# Altium PCB Calipso V2.0 REV2.0 (new origin).PcbDoc (part 3 of 5) (continued)
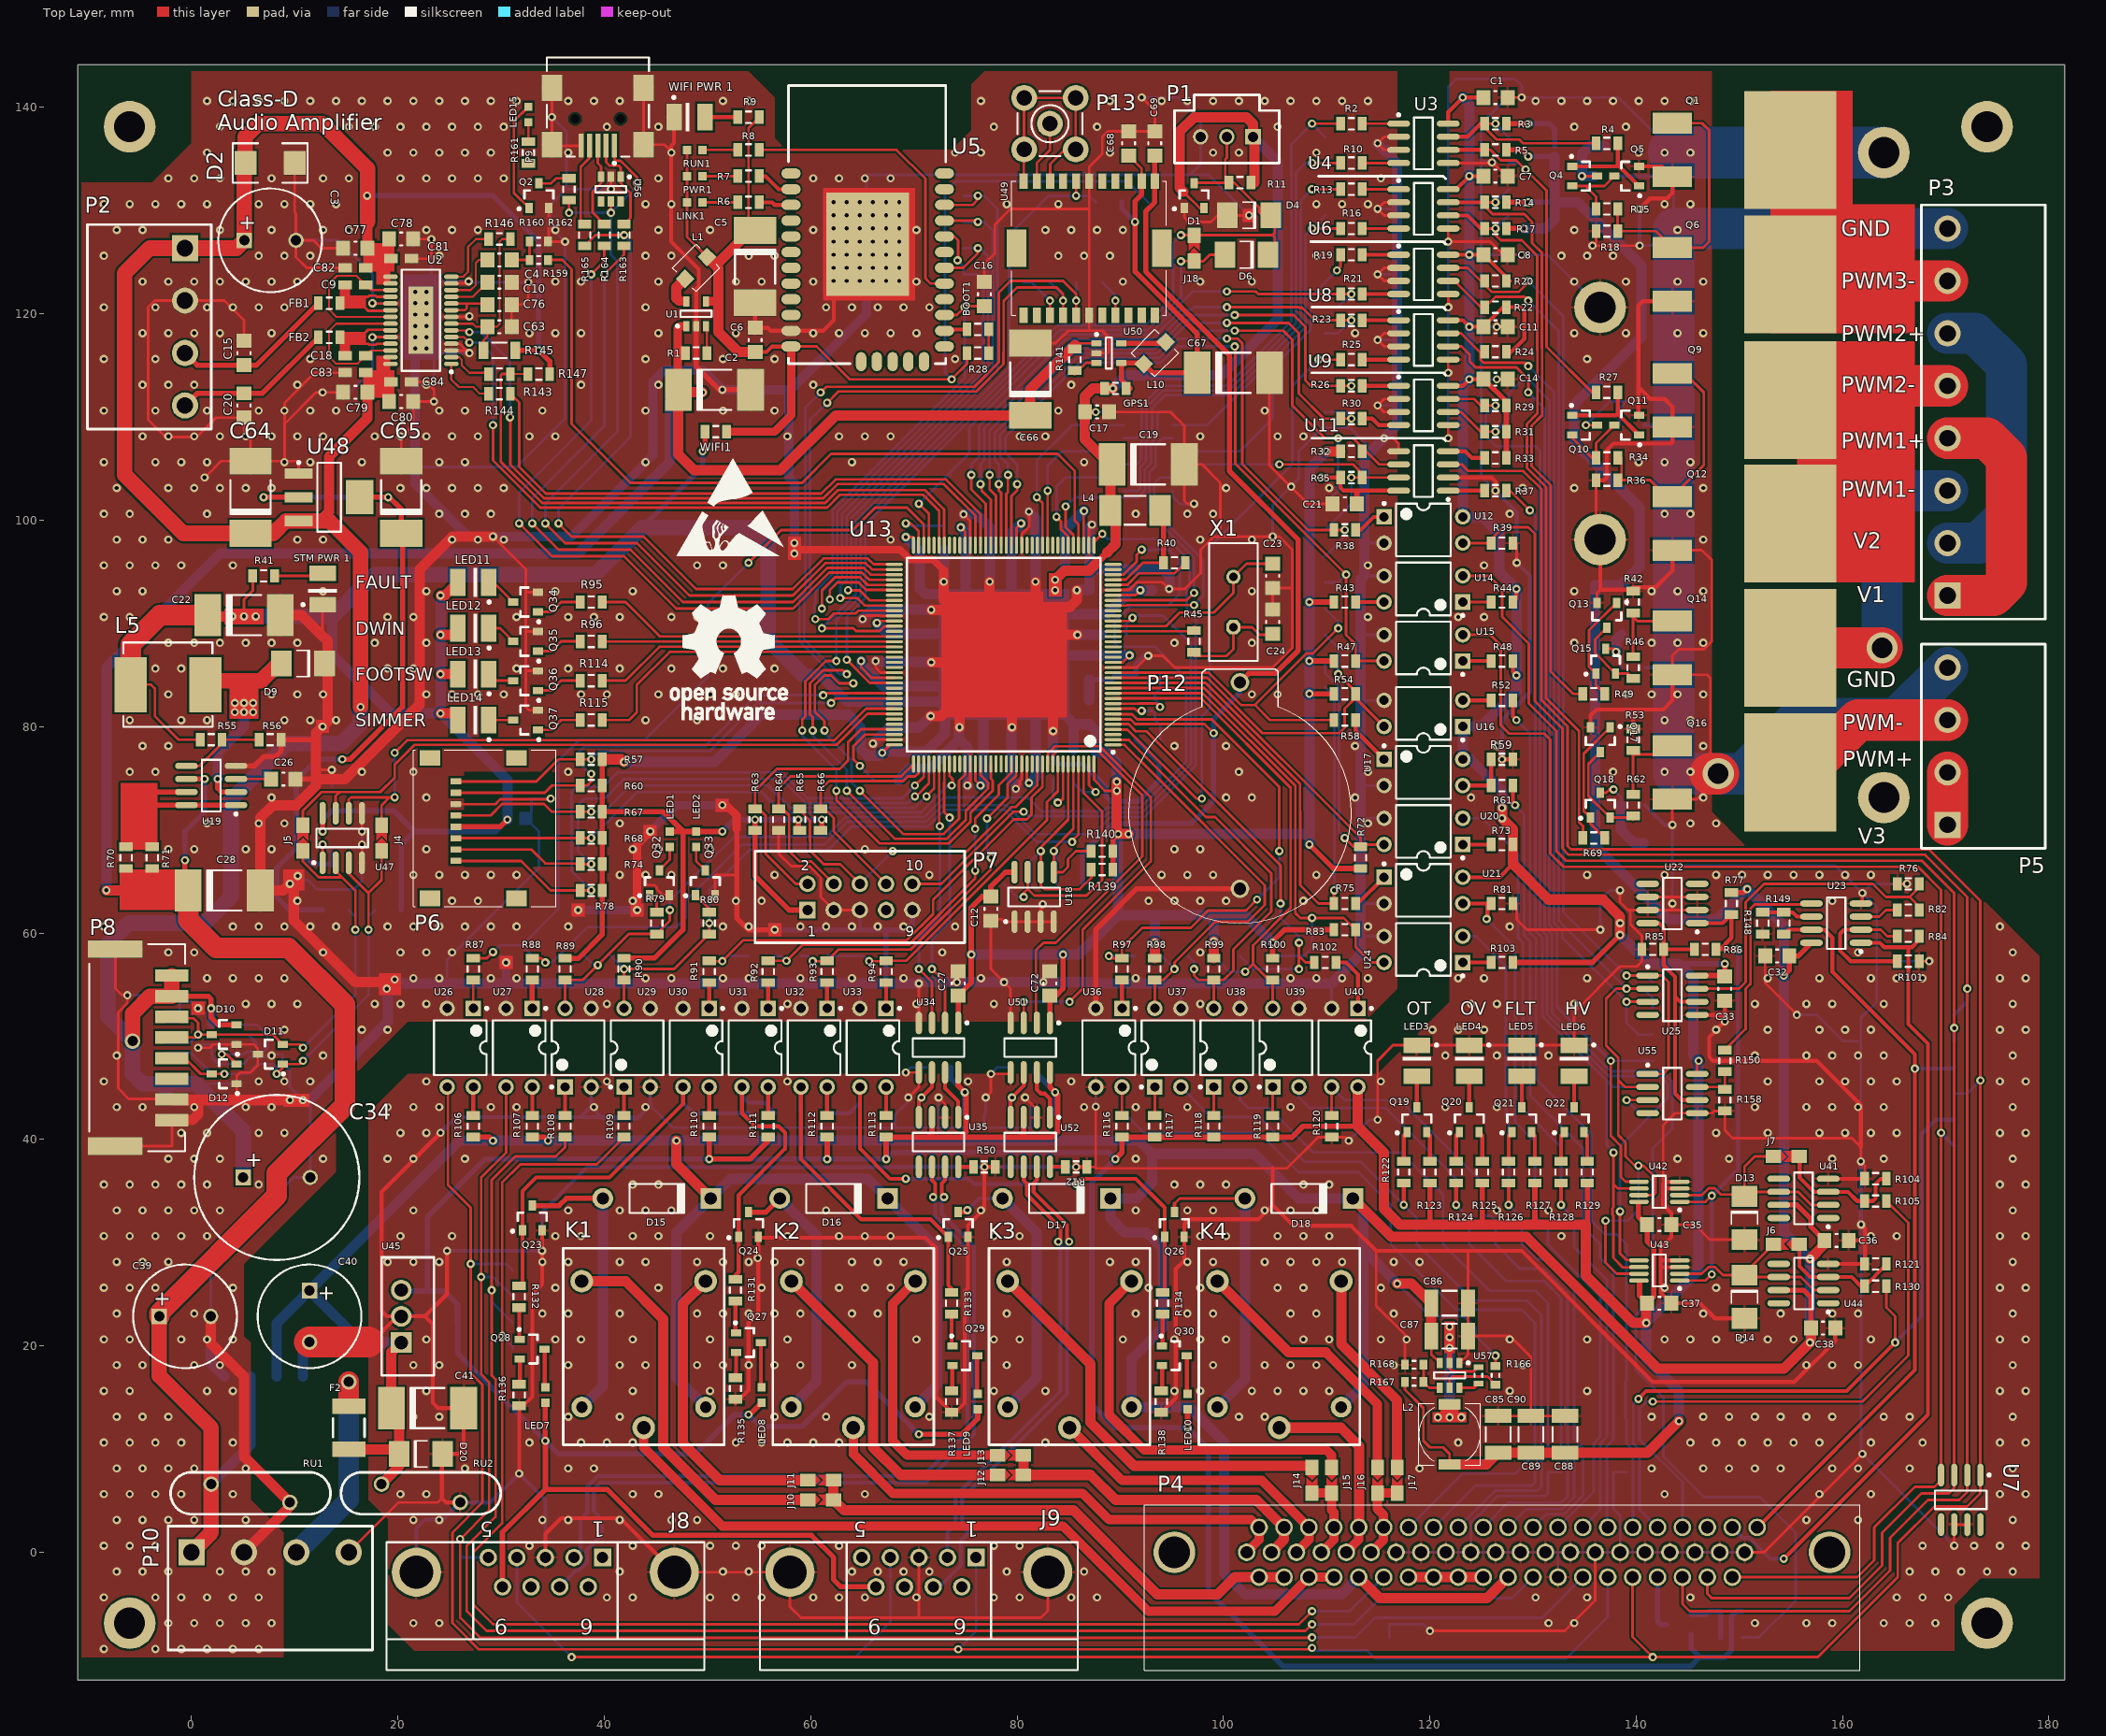
[diagram p0: Top Layer view]
## Nets (pads, with @x,y where several pads share a name; then routed paths per layer and width w, separated by ;. In a path a pad name is that pad's centre, name@x,y a point inside that pad or via, vN(x,y) a via of type N, cw(c..) or ccw(c..) an arc to the next point about the centre after c; other vN are vias at no path point) (continued)
  Top Layer w3: C40.2@11.43,20.36 17.145,20.36
  Top Layer w4: v4@147.193,75.438 v4(147.955,75.438)
  Bottom Layer w0.254: 44.451,43.307 46.61,41.148 68.2,41.148 ; v1(69.215,46.482) 69.723,46.99 C29.1@71.215,46.99 ; v1(69.47,44.069) 69.47,43.72 68.168,42.418 68.168,41.18 68.2,41.148 ; v1(72.391,44.069) 72.391,41.148 ; v1(76.962,44.069) 76.962,42.577 76.835,42.45 76.835,41.148 ; v1(77.47,46.355) 78.105,46.99 C73.1@79.47,46.99 ; v1(80.772,44.069) 81.375,43.466 C75.1@81.375,42.545 81.375,41.148 76.835,41.148 ; v1(87.63,43.18) U36.3@87.63,45.085 ; v1(112.141,39.878) 114.173,41.91 v1(114.935,41.91) ; U54.7@116.065,-8.255 U54.6@116.065,-6.985 119.38,-6.985 v1(120.015,-7.62) ; P4.28@116.728,0 P4.29@119.141,0 P4.30@121.554,0 P4.31@123.967,0 ; v1(121.793,107.95) 121.78,107.963 v1(121.78,127) 121.78,141.973 122.555,142.748 128.27,142.748 128.905,142.113 v1(128.905,140.97) ; v1(126.024,134.675) 126.024,134.741 126.017,134.747 124.968,134.747 ; v1(126.365,102.87) 124.968,104.267 124.968,113.665 ; v1(126.492,113.665) 124.968,113.665 ; v1(126.492,118.745) 124.968,118.745 ; P4.55@132.416,-2.413 132.416,-0.045 132.461,0 ; U53.6@132.715,7.76 U53.7@131.445,7.76 131.445,5.715 131.191,5.461 126.619,5.461 124.745,3.587 124.689,3.587 124,2.898 124,0.033 P4.31@123.967,0 ; pad.H@136.5,120.63 131.4,125.73 v1(128.905,125.73) 124.968,125.73 ; v1(136.525,60.325) 136.525,63.246 137.414,64.135 v1(138.43,64.135) ; U10.6@139.065,7.76 U10.7@137.795,7.76 137.795,4.191 138.445,3.541 P4.37@138.445,0 ; v1(140.335,126.619) 141.478,126.619 143.129,128.27 ; v1(143.51,62.865) 143.51,66.548 ; v1(143.51,70.485) 143.51,66.548 ; 143.637,128.778 143.637,133.35 143.637,135.636 138.303,140.97 v1(128.905,140.97) ; P4.42@150.51,0 P4.41@148.097,0 P4.40@145.684,0 P4.39@143.271,0 P4.38@140.858,0 P4.37@138.445,0 ; v1(155.575,52.07) 157.48,52.07 160.02,49.53 161.77,49.53 ; v1(166.243,64.77) 162.814,64.77 v1(161.925,63.881) ; v1(168.402,57.277) 163.322,57.277 ; v1(170.815,0.635) v1(161.925,9.525) 161.798,9.652 v1(161.798,31.75) 161.798,40.005 161.77,40.033 161.77,49.53 ; 68.2,41.148 72.391,41.148 ; 72.391,41.148 76.835,41.148 ; P4.31@123.967,0 P4.32@126.38,0 P4.33@128.793,0 P4.34@131.206,0 132.461,0 ; 124.968,113.665 124.968,118.745 ; 124.968,118.745 124.968,125.73 ; 124.968,125.73 124.968,134.747 ; 124.968,134.747 124.968,138.43 127.508,140.97 v1(128.905,140.97) ; 132.461,0 P4.35@133.619,0 P4.36@136.032,0 P4.37@138.445,0 ; 143.51,66.548 159.258,66.548 v1(161.925,63.881) ; 161.77,49.53 161.77,51.788 163.322,53.34 163.322,57.277 ; v1(161.925,63.881) 163.322,62.484 163.322,57.277
  Bottom Layer w0.384: U45.2@20.32,22.86 20.415,22.955 C62.1@22.86,22.955 ; J8.11@21.795,-1.93 21.795,2.364 22.606,3.175 24.384,3.175 RU2.1@26.035,4.826 28.956,4.826 v1(31.75,7.62) 34.29,5.08 J8.3@34.29,-0.51 ; v1(24.13,40.64) 25.654,42.164 43.432,42.164 ; v1(24.765,29.21) v1(33.97,29.21) 33.97,32.954 38.324,37.308 67.638,37.308 ; 37.718,42.164 v1@38.735,43.181 ; U28.2@38.735,45.085 v1@38.735,43.181 ; U29.2@44.451,45.085 44.451,43.307 43.181,42.037 39.879,42.037 v1@38.735,43.181 ; 61.924,37.308 61.954,37.338 ; 67.668,37.338 v1(76.835,37.338) v1(85.725,37.338) ; v1(126.365,102.87) 128.425,100.81 v1(128.425,95.885) 129.711,94.599 129.711,83.356 127,80.645 v1(127,76.835) ; C42.1@138.335,133.35 143.637,133.35 ; v1(140.335,126.619) v1(140.335,130.175) ; C43.1@140.748,109.22 143.51,109.22 143.637,109.093 ; C53.1@140.875,72.39 142.78,70.485 v1(143.51,70.485) ; C61.1@140.875,85.725 143.637,85.725 ; v1(161.77,37.874) 161.77,31.778 v1(161.798,31.75)
  Bottom Layer w1: TP14.1@10.795,17.018 10.795,19.725 C40.2@11.43,20.36
  Bottom Layer w4: P5.4@170.18,85.725 165.227,80.772 155.702,80.772 150.368,75.438 v4(147.955,75.438) 143.637,75.438 143.637,85.725 143.637,109.093 143.637,128.27 P3.8@170.18,128.27
  Bottom Layer w5: 143.637,135.636 143.643,135.63 pad.H@164,135.63
  other v1: 21.5,-6.87 24,-6.87 131.5,-6.87 134,-6.87 151.5,-6.87 156.5,-6.87 159,-6.87 164,-6.87 166.5,-6.87 169,-6.87 40.25,-4.37 42.75,-4.37 50.25,-4.37 52.75,-4.37 55.25,-4.37 60.25,-4.37 62.75,-4.37 65.25,-4.37 70.25,-4.37 77.75,-4.37 80.25,-4.37 85.25,-4.37 87.75,-4.37 130.25,-4.37 135.25,-4.37 145.25,-4.37 165.25,-4.37 167.75,-4.37 170.25,-4.37 41.5,-1.87 51.5,-1.87 54,-1.87 64,-1.87 66.5,-1.87 69,-1.87 71.5,-1.87 79,-1.87 86.5,-1.87 166.5,-1.87 169,-1.87 171.5,-1.87 174,-1.87 176.5,-1.87 32.75,0.63 42.75,0.63 50.25,0.63 52.75,0.63 55.25,0.63 62.75,0.63 77.75,0.63 80.25,0.63 167.75,0.63 172.75,0.63 175.25,0.63 177.75,0.63 21.5,3.13 24,3.13 34,3.13 36.5,3.13 41.5,3.13 46.5,3.13 49,3.13 156.5,3.13 161.5,3.13 176.5,3.13 20.25,5.63 22.75,5.63 42.75,5.63 45.25,5.63 65.25,5.63 142.75,5.63 157.75,5.63 162.75,5.63 175.25,5.63 177.75,5.63 26.5,8.13 36.5,8.13 39,8.13 119,8.13 141.5,8.13 146.5,8.13 149,8.13 151.5,8.13 154,8.13 159,8.13 161.5,8.13 166.5,8.13 176.5,8.13 32.75,10.63 37.75,10.63 40.25,10.63 42.75,10.63 52.75,10.63 55.25,10.63 57.75,10.63 60.25,10.63 62.75,10.63 82.75,10.63 122.75,10.63 145.25,10.63 147.75,10.63 150.25,10.63 152.75,10.63 155.25,10.63 157.75,10.63 162.75,10.63 167.75,10.63 175.25,10.63 177.75,10.63 21.5,13.13 24,13.13 36.5,13.13 41.5,13.13 56.5,13.13 61.5,13.13 71.5,13.13 101.5,13.13 104,13.13 141.5,13.13 146.5,13.13 149,13.13 151.5,13.13 154,13.13 156.5,13.13 159,13.13 164,13.13 166.5,13.13 176.5,13.13 22.75,15.63 42.75,15.63 50.25,15.63 77.75,15.63 82.75,15.63 95.25,15.63 97.75,15.63 102.75,15.63 105.25,15.63 107.75,15.63 110.25,15.63 127.75,15.63 135.25,15.63 175.25,15.63 177.75,15.63 21.5,18.13 24,18.13 36.5,18.13 41.5,18.13 44,18.13 49,18.13 51.5,18.13 54,18.13 56.5,18.13 59,18.13 64,18.13 79,18.13 99,18.13 104,18.13 106.5,18.13 109,18.13 116.5,18.13 129,18.13 156.5,18.13 159,18.13 161.5,18.13 176.5,18.13 22.75,20.63 35.25,20.63 37.75,20.63 42.75,20.63 50.25,20.63 57.75,20.63 70.25,20.63 77.75,20.63 80.25,20.63 90.25,20.63 95.25,20.63 97.75,20.63 100.25,20.63 107.75,20.63 110.25,20.63 115.25,20.63 117.75,20.63 127.75,20.63 135.25,20.63 142.75,20.63 145.25,20.63 147.75,20.63 150.25,20.63 152.75,20.63 155.25,20.63 162.75,20.63 175.25,20.63 177.75,20.63 34,23.13 36.5,23.13 41.5,23.13 49,23.13 51.5,23.13 54,23.13 56.5,23.13 59,23.13 64,23.13 66.5,23.13 79,23.13 91.5,23.13 96.5,23.13 99,23.13 106.5,23.13 109,23.13 116.5,23.13 146.5,23.13 154,23.13 159,23.13 161.5,23.13 176.5,23.13 35.25,25.63 45.25,25.63 55.25,25.63 62.75,25.63 65.25,25.63 67.75,25.63 92.75,25.63 97.75,25.63 105.25,25.63 107.75,25.63 115.25,25.63 142.75,25.63 147.75,25.63 175.25,25.63 177.75,25.63 19,28.13 21.5,28.13 24,28.13 34,28.13 36.5,28.13 41.5,28.13 44,28.13 49,28.13 51.5,28.13 54,28.13 56.5,28.13 59,28.13 64,28.13 66.5,28.13 69,28.13 79,28.13 89,28.13 91.5,28.13 96.5,28.13 99,28.13 104,28.13 106.5,28.13 109,28.13 111.5,28.13 116.5,28.13 119,28.13 176.5,28.13 20.25,30.63 25.25,30.63 35.25,30.63 37.75,30.63 42.75,30.63 45.25,30.63 50.25,30.63 57.75,30.63 62.75,30.63 65.25,30.63 67.75,30.63 77.75,30.63 80.25,30.63 97.75,30.63 100.25,30.63 105.25,30.63 107.75,30.63 110.25,30.63 132.75,30.63 162.75,30.63 165.25,30.63 175.25,30.63 177.75,30.63 21.5,33.13 36.5,33.13 41.5,33.13 44,33.13 46.5,33.13 61.5,33.13 76.5,33.13 91.5,33.13 96.5,33.13 99,33.13 104,33.13 106.5,33.13 109,33.13 126.5,33.13 131.5,33.13 176.5,33.13 42.75,35.63 45.25,35.63 95.25,35.63 97.75,35.63 100.25,35.63 107.75,35.63 110.25,35.63 175.25,35.63 177.75,35.63 19,38.13 21.5,38.13 26.5,38.13 91.5,38.13 144,38.13 149,38.13 159,38.13 164,38.13 176.5,38.13 20.25,40.63 22.75,40.63 147.75,40.63 152.75,40.63 157.75,40.63 160.25,40.63 162.75,40.63 165.25,40.63 175.25,40.63 177.75,40.63 19,43.13 21.5,43.13 24,43.13 29,43.13 31.5,43.13 39,43.13 44,43.13 86.5,43.13 91.5,43.13 96.5,43.13 106.5,43.13 121.5,43.13 126.5,43.13 151.5,43.13 156.5,43.13 159,43.13 161.5,43.13 164,43.13 176.5,43.13 22.75,45.63 40.25,45.63 57.75,45.63 75.25,45.63 85.25,45.63 115.25,45.63 152.75,45.63 157.75,45.63 160.25,45.63 162.75,45.63 165.25,45.63 175.25,45.63 177.75,45.63 121.5,48.13 126.5,48.13 131.5,48.13 151.5,48.13 156.5,48.13 159,48.13 161.5,48.13 164,48.13 176.5,48.13 120.25,50.63 122.75,50.63 125.25,50.63 147.75,50.63 152.75,50.63 157.75,50.63 160.25,50.63 162.75,50.63 175.25,50.63 177.75,50.63 124,53.13 126.5,53.13 134,53.13 151.5,53.13 156.5,53.13 159,53.13 164,53.13 176.5,53.13 122.75,55.63 125.25,55.63 135.25,55.63 152.75,55.63 157.75,55.63 162.75,55.63 165.25,55.63 167.75,55.63 175.25,55.63 177.75,55.63 161.5,58.13 176.5,58.13 127.75,60.63 175.25,60.63 159,63.13 135.25,65.63 142.75,65.63 147.75,65.63 150.25,65.63 152.75,65.63 155.25,65.63 157.75,65.63 160.25,65.63 162.75,65.63 145.25,70.63 147.75,70.63 124,73.13 146.5,73.13 137.75,75.63 142.75,75.63 145.25,75.63 126.5,78.13 146.5,78.13 142.75,80.63 145.25,80.63 139,83.13 141.5,83.13 144,83.13 146.5,83.13 134,88.13 141.5,88.13 144,88.13 146.5,88.13 122.75,90.63 125.25,90.63 134,93.13 141.5,93.13 144,93.13 146.5,93.13 125.25,95.63 146.5,98.13 127.75,100.63 142.75,100.63 145.25,100.63 129,103.13 134,103.13 146.5,103.13 140.25,105.63 142.75,105.63 145.25,105.63 135.25,115.63 134,118.13 139,118.13 144,118.13 146.5,118.13 134,123.13 139,123.13 144,123.13 146.5,123.13 132.75,125.63 135.25,125.63 137.75,125.63 134,128.13 144,128.13 142.75,130.63 145.25,130.63 140.25,135.63 142.75,135.63 145.25,135.63 134,138.13 139,138.13 130.25,140.63 132.75,140.63 135.25,140.63 137.75,140.63 140.25,140.63 142.75,140.63 145.25,140.63
IM_CSN: R26.1 TP10.5 U13.57 | length 60.1
  Top Layer w0.254: v1(76.454,103.505) 76.581,103.378 76.581,102.87 77.459,101.992 U13.57@77.459,97.583 ; v1(101.092,119.888) 106.807,119.888 107.95,118.745 107.95,113.538 108.458,113.03 R26.1@110.97,113.03 ; R26.1@111.345,113.03 v1(112.395,113.03)
  Bottom Layer w0.254: v1(76.454,103.505) 76.454,105.41 76.835,105.791 76.835,108.919 84.991,117.075 93.206,117.075 96.019,119.888 v1(101.092,119.888) ; TP10.5@109.855,113.03 v1(112.395,113.03)
IMON_NCS: R29.1 TP21.6 U9.7 U43.5 U55.3 | length 109
  Top Layer w0.254: U9.7@121.78,111.76 124.305,111.76 124.94,111.125 v1(126.365,111.125) ; v1(138.43,33.02) 138.43,28.956 139.065,28.321 140.224,28.321 U43.5@140.265,28.28 ; v1(139.065,43.815) U55.3@141.11,43.815
  Bottom Layer w0.254: v1(126.365,111.125) 125.422,110.182 125.422,108.131 126.365,107.188 130.23,107.188 130.684,106.734 130.684,60.423 131.372,59.735 131.372,52.124 137.052,46.444 137.078,46.444 137.367,46.155 142.306,46.155 143.056,45.405 143.056,43.996 TP21.6@141.605,42.545 ; v1(138.43,33.02) 138.43,38.25 138.522,38.342 138.522,39.462 TP21.6@141.605,42.545 ; v1(139.065,43.815) 140.335,42.545 TP21.6@141.605,42.545
LAS_EN: R38.1 TP11.3 U13.54 | length 65.8
  Top Layer w0.254: U13.54@78.959,97.583 78.959,102.558 79.121,102.72 v1(79.121,104.394) ; v1(100.33,117.602) 101.358,117.602 101.819,117.141 101.819,105.452 108.211,99.06 R38.1@110.335,99.06 ; R38.1@110.71,99.06 v1(111.76,99.06)
  Bottom Layer w0.254: v1(79.121,104.394) 79.121,105.41 78.359,106.172 78.359,108.287 85.785,115.713 93.77,115.713 95.659,117.602 v1(100.33,117.602) ; TP11.3@109.855,96.52 111.76,98.425 v1(111.76,99.06)
LAS_FLT: R47.1 TP11.4 U13.53 U15.4 | length 77.1
  Top Layer w0.254: U13.53@79.459,97.583 79.459,102.331 80.01,102.882 v1(80.01,103.505) ; v1(101.092,116.84) 101.161,116.771 101.161,105.468 v1(111.887,94.742) 111.887,88.9 112.81,87.977 R47.1@112.81,86.36 ; R47.1@113.185,86.36 U15.4@115.57,86.36
  Bottom Layer w0.254: v1(80.01,103.505) 80.01,105.41 78.867,106.553 78.867,108.077 86.049,115.259 93.958,115.259 95.539,116.84 v1(101.092,116.84) ; TP11.4@109.855,93.98 111.125,93.98 v1(111.887,94.742)
LAS_LOCK: R43.1 U14.4 | length 2.4
  Top Layer w0.384: R43.1@113.185,92.075 U14.4@115.57,92.075
LASER_ENABLE: P4.60 R39.2 TP7.1 U7.2 U12.3 | length 178.5
  Top Layer w0.254: U12.3@123.19,97.79 125.575,97.79 127.099,99.314 129.54,99.314 130.175,98.679 130.175,82.487 132.08,80.582 132.842,79.82 132.842,68.2 133.453,67.589 133.47,67.589 167.996,67.589 172.085,63.5 v1(172.085,54.61) U7.2@172.085,7.48 172.085,5.842 171.323,5.08 168.275,5.08 164.592,1.397 164.592,-1.778 160.655,-5.715 145.161,-5.715 144.481,-5.035 P4.60@144.481,-2.413
  Bottom Layer w0.384: TP7.1@170.815,52.07 172.085,53.34 v1(172.085,54.61)
LASER_IMON: P4.17 R130.1 TP7.5 U10.5 | length 71.6
  Top Layer w0.254: R130.1@164.245,25.781 164.245,23.715 165.1,22.86 v1(165.1,20.32)
  Top Layer w0.384: v1(140.208,14.859) 140.97,15.621 160.401,15.621 v1(165.1,20.32)
  Bottom Layer w0.254: v1(140.208,14.859) 139.708,14.359 139.708,10.556 139.7,10.548 140.335,9.913 U10.5@140.335,7.76 140.335,4.143 P4.17@142.068,2.41
  Bottom Layer w0.384: v1(165.1,20.32) 167.64,22.86 167.64,40.513 169.037,41.91 TP7.5@170.815,41.91
LASER_LOCK: P4.61 TP7.2 U7.3 U14.2 | length 163.1
  Top Layer w0.254: U14.2@123.19,94.615 125.73,94.615 127,93.345 127,90.65 129.591,88.059 129.591,82.245 132.258,79.578 132.258,67.958 133.211,67.005 133.228,67.005 167.691,67.005 170.815,63.881 v1(170.815,50.8) U7.3@170.815,7.48 170.815,6.223 170.307,5.715 167.64,5.715 163.83,1.905 163.83,-1.27 160.655,-4.445 147.32,-4.445 146.894,-4.019 P4.61@146.894,-2.413
  Bottom Layer w0.384: TP7.2@170.815,49.53 v1(170.815,50.8)
LASER_PULSE: P4.59 Q31.3 | length 5.3
  Bottom Layer w0.5: P4.59@142.068,-2.413 142.068,-6.686 142.367,-6.985 Q31.3@142.945,-6.985
LASER_VMON: P4.18 R105.1 U10.4 | length 57.3
  Top Layer w0.254: v1(141.605,14.605) 161.925,14.605 166.37,19.05 166.37,31.911 R105.1@164.245,34.036
  Bottom Layer w0.254: v1(141.605,14.605) 140.97,14.605 140.935,14.57 140.935,14.558 140.509,14.132 140.497,14.132 140.335,13.97 U10.4@140.335,12.56 140.335,10.922 144.481,6.776 P4.18@144.481,2.41
LD_PULSE: R25.1 TP10.4 U13.4 | length 60.3
  Top Layer w0.254: U13.4@89.34,79.745 89.363,79.722 90.698,79.722 97.395,73.025 v1(97.917,73.025) ; v1(109.22,115.57) R25.1@110.97,115.57
  Bottom Layer w0.254: v1(97.917,73.025) 97.917,81.026 98.679,81.788 98.679,97.409 106.68,105.41 106.68,113.03 v1(109.22,115.57)
LDD_IPROG: P4.21 R149.2 TP7.3 U23.7 | length 75.9
  Top Layer w0.384: P4.21@151.72,2.41 151.762,2.41 167.005,17.653 v1(167.005,46.863) 167.005,48.26 159.004,56.261 159.004,59.563 158.242,60.325 U23.7@156.985,60.325 154.72,60.325 R149.2@154.305,59.91
  Bottom Layer w0.384: v1(167.005,46.863) 170.688,46.863 TP7.3@170.815,46.99
LDD_VMON: P4.19
LED_GREEN: J8.5 P4.56 TP3.2 U27.3 U54.2 | length 174.1
  Top Layer w0.254: U27.3@30.481,45.085 30.481,38.736 28.067,36.322 v1(28.067,26.67) 28.067,17.254 28.829,16.492 28.829,4.064 v1(26.035,1.27) 26.035,-6.35 27.985,-8.3 108.54,-8.3 v1(108.585,-8.255)
  Bottom Layer w0.254: v1(26.035,1.27) 26.035,-0.254 26.291,-0.51 J8.5@28.75,-0.51 ; v1(28.067,26.67) 29.21,26.67 TP3.2@31.115,24.765 ; v1(108.585,-8.255) U54.2@111.265,-8.255 112.776,-8.255 114.681,-6.35 130.892,-6.35 P4.56@134.829,-2.413
LED_RED: J9.1 P4.57 TP3.1 U26.3 U54.1 | length 187.5
  Top Layer w0.254: U26.3@24.765,45.085 24.857,44.993 24.857,35.595 27.051,33.401 v1(27.051,27.94) 27.051,17.372 28.194,16.229 28.194,4.826 25.273,1.905 25.273,-6.858 27.813,-9.398 v1(74.295,-9.398) 108.458,-9.398 v1(108.585,-9.271)
  Bottom Layer w0.254: v1(27.051,27.94) 30.48,27.94 TP3.1@31.115,27.305 ; v1(74.295,-9.398) 76.025,-7.668 J9.1@76.025,-0.51 ; v1(108.585,-9.271) 108.839,-9.525 U54.1@111.265,-9.525 113.919,-9.525 114.681,-10.287 133.223,-10.287 137.242,-6.268 P4.57@137.242,-2.413
LEDB: U13.97
LEDG: R88.1 TP4.2 U13.37 | length 106.9
  Top Layer w0.254: R88.1@33.021,57.565 33.876,57.565 v1(34.291,57.15) ; U13.37@87.49,97.595 87.49,97.904 v1(88.265,98.679)
  Bottom Layer w0.254: v1(34.291,57.15) 34.926,57.15 TP4.2@35.561,57.785 38.355,60.579 46.99,60.579 47.879,61.468 47.879,63.119 53.34,68.58 61.348,68.58 63.558,70.79 71.171,70.79 72.771,72.39 79.001,72.39 79.918,71.473 79.918,71.454 81.776,69.596 87.449,69.596 89.081,71.228 92.31,71.228 97.301,76.219 97.301,90.608 96.428,91.481 96.428,93.265 96.701,93.538 96.701,96.085 94.615,98.171 88.773,98.171 v1(88.265,98.679)
LEDP_RED: R87.1 TP4.1 U13.70 | length 78.4
  Top Layer w0.254: R87.1@27.305,57.565 28.61,57.565 v1(29.211,58.166) ; v1(53.975,95.885) 57.15,99.06 64.079,99.06 66.254,101.235 69.326,101.235 70.959,99.602 U13.70@70.959,97.583
  Bottom Layer w0.254: v1(29.211,58.166) 29.846,58.801 32.005,58.801 ; TP4.1@33.021,57.785 32.005,58.801 ; v1(53.975,95.885) 50.038,91.948 50.038,84.836 43.942,78.74 37.592,78.74 35.56,76.708 35.56,62.356 32.005,58.801
LMP_DISCH: R75.1 TP6.4 U13.12 | length 56.7
  Top Layer w0.254: U13.12@89.34,83.745 98.133,83.745 107.426,74.452 107.426,71.771 107.442,71.755 107.442,64.627 109.204,62.865 R75.1@110.335,62.865 ; R75.1@110.71,62.865 110.71,64.101 v1(110.744,64.135)
  Bottom Layer w0.254: TP6.4@109.855,83.82 110.744,82.931 v1(110.744,64.135)
LMP_DISCHARGE: P4.13 R154.2 TP9.1 U10.1 | length 34.5
  Bottom Layer w0.254: R154.2@130.175,32.605 131.445,31.335 TP9.1@131.445,29.845 136.525,24.765 136.525,11.183 135.89,10.548 135.89,5.884 P4.13@132.416,2.41
LMP_FAULT: R83.1 TP5.6 U13.11 U24.4 | length 52.9
  Top Layer w0.254: U13.11@89.34,83.245 97.991,83.245 106.972,74.264 106.972,61.938 107.442,61.468 v1(108.585,61.468) 111.667,61.468 R83.1@112.81,60.325 112.81,58.64 114.3,57.15 U24.4@115.57,57.15
  Bottom Layer w0.254: TP5.6@104.14,57.785 107.823,57.785 108.585,58.547 v1(108.585,61.468)
LMP_FAULT_SIG: P4.12 R126.1 TP8.6 U24.2 U53.4 | length 68.3
  Top Layer w0.381: v1(127.635,33.655) R126.1@127.635,35.405
  Bottom Layer w0.254: U24.2@123.19,59.69 124.46,59.69 127.381,56.769 127.381,42.291 127.635,42.037 v1(127.635,33.655) 128.905,32.385 TP8.6@128.905,29.845 130.365,28.384 131.381,28.384 133.985,25.781 U53.4@133.985,12.56 133.985,10.922 134.874,10.033 134.874,5.51 133.047,3.683 131.276,3.683 P4.12@130.003,2.41
LMP_HV_INH: R97.1 TP5.1 U13.7 | length 50.8
  Top Layer w0.254: v1(88.9,57.785) 89.12,57.565 R97.1@90.17,57.565 90.17,58.547 92.142,60.519 96.841,60.519 98.498,62.176 102.174,62.176 v1@103.247,63.25 ; U13.7@89.309,81.233 89.332,81.21 91.136,81.21 91.628,80.718 98.86,80.718 105.41,74.168 v1(105.41,67.945)
  Bottom Layer w0.254: v1(88.9,57.785) TP5.1@91.44,57.785 ; v1(103.251,63.246) 105.41,65.405 v1(105.41,67.945)
LMP_HV_INHIBIT: P4.7 R116.1 TP8.1 U36.4 U53.1 | length 83.4
  Top Layer w0.254: R116.1@90.17,42.7 U36.4@90.17,45.085
  Bottom Layer w0.254: U36.4@90.17,45.085 90.17,42.799 92.329,40.64 103.505,40.64 107.315,36.83 113.102,36.83 113.872,36.06 113.872,35.988 116.205,33.655 TP8.1@116.205,29.845 122.555,23.495 128.905,23.495 130.175,22.225 U53.1@130.175,12.56 130.175,9.525 128.27,7.62 123.148,7.62 P4.7@117.938,2.41
LMP_HVON: R72.1 TP6.3 U13.13 U20.4 | length 53.1
  Top Layer w0.254: U13.13@89.34,84.245 98.275,84.245 113.284,69.236 113.284,68.679 113.185,68.58 U20.4@115.57,68.58 ; v1(111.76,69.215) 112.615,68.36 R72.1@113.284,68.36
  Bottom Layer w0.254: TP6.3@109.855,86.36 109.855,85.18 111.198,83.837 111.198,69.777 v1(111.76,69.215)
LMP_HVON_SIG: P4.14 R128.1 TP9.2 U10.8 U20.2 | length 78.3
  Top Layer w0.381: v1(132.715,33.655) R128.1@132.715,35.405
  Bottom Layer w0.254: U20.2@123.19,71.12 125.095,71.12 128.551,67.664 128.551,59.539 129.032,59.058 129.032,42.926 132.715,39.243 v1(132.715,33.655) 133.985,32.385 TP9.2@133.985,29.845 133.985,29.591 137.16,26.416 137.16,11.176 136.525,10.541 136.525,4.106 P4.14@134.829,2.41
LMP_OV: R100.1 TP5.4 U13.10 U39.4 | length 49.2
  Top Layer w0.254: U13.10@89.34,82.745 97.849,82.745 106.518,74.076 106.518,62.449 102.87,58.801 102.87,56.995 ; v1(102.108,56.261) 102.136,56.261 102.87,56.995 ; U39.4@104.775,52.705 104.775,55.09 102.87,56.995
  Bottom Layer w0.254: TP5.4@99.06,57.785 100.584,56.261 v1(102.108,56.261)
LMP_OVERTEMPERATURE_SIG: P4.8 R122.1 TP8.2 U37.2 U53.8 | length 75.4
  Top Layer w0.381: v1(117.475,33.655) R122.1@117.475,35.405
  Bottom Layer w0.254: U37.2@95.885,45.085 98.806,42.164 103.505,42.164 107.823,37.846 113.284,37.846 v1(117.475,33.655) 118.745,32.385 TP8.2@118.745,29.845 124.206,24.384 129.413,24.384 130.802,22.995 130.802,9.51 130.364,9.072 130.364,7.949 U53.8@130.175,7.76 130.175,6.731 129.921,6.477 124.418,6.477 P4.8@120.351,2.41
LMP_OVERVOLTAGE_SIG: P4.10 R124.1 TP8.4 U39.2 U53.3 | length 68.1
  Top Layer w0.381: v1(122.555,33.655) R124.1@122.555,35.405
  Bottom Layer w0.254: U39.2@107.315,45.085 107.315,44.069 108.331,43.053 115.697,43.053 122.555,36.195 v1(122.555,33.655) 123.825,32.385 TP8.4@123.825,29.845 127.381,26.289 131.064,26.289 132.715,24.638 U53.3@132.715,12.56 132.715,10.16 133.342,9.533 133.342,5.382 132.786,4.826 127.593,4.826 P4.10@125.177,2.41
LMP_OVT: R98.1 TP5.2 U13.1 U37.4 | length 40.8
  Top Layer w0.254: U13.1@89.309,78.233 90.417,78.233 92.996,75.654 104.013,64.637 104.013,62.738 102.362,61.087 99.187,61.087 95.25,57.15 v1(95.25,56.515) 94.2,55.465 R98.1@93.345,55.465 U37.4@93.345,52.705
  Bottom Layer w0.254: TP5.2@93.98,57.785 v1(95.25,56.515)
LMP_PULSE: R102.1 TP5.5 U13.5 | length 40.6
  Top Layer w0.254: U13.5@89.34,80.245 90.817,80.245 91.506,79.556 92.529,79.556 105.537,66.548 v1(105.537,62.865) ; v1(107.315,56.515) 107.315,57.785 ; v1(107.315,59.055) 107.315,57.785 ; R102.1@108.805,57.15 107.95,57.15 107.315,57.785
  Bottom Layer w0.254: TP5.5@101.6,57.785 101.612,57.785 102.882,56.515 v1(107.315,56.515) ; v1(105.537,62.865) 105.537,61.468 107.315,59.69 v1(107.315,59.055)
LMP_PULSE_OUT: P4.11 R155.2 TP8.5 U53.5 | length 40.4
  Bottom Layer w0.254: R155.2@125.095,32.605 125.891,32.605 126.365,32.131 TP8.5@126.365,29.845 128.714,27.495 131,27.495 133.35,25.146 133.35,10.414 133.985,9.779 133.985,5.334 132.842,4.191 129.371,4.191 P4.11@127.59,2.41
LMP_RDY: R99.1 TP5.3 U13.2 U38.4 | length 40.9
  Top Layer w0.254: U13.2@89.309,78.733 89.332,78.71 90.835,78.71 98.298,71.247 99.187,71.247 104.648,65.786 104.648,62.103 100.965,58.42 100.965,56.388 100.042,55.465 R99.1@99.06,55.465 ; v1(97.155,56.515) 97.155,55.88 97.57,55.465 R99.1@99.06,55.465 ; U38.4@99.06,52.705 R99.1@99.06,55.465
  Bottom Layer w0.254: TP5.3@96.52,57.785 97.155,57.15 v1(97.155,56.515)
LMP_READY: P4.9 TP8.3 U38.2 U53.2 | length 69.8
  Bottom Layer w0.254: U38.2@101.6,45.085 101.6,43.815 102.362,43.053 104.394,43.053 108.712,38.735 117.221,38.735 121.285,34.671 TP8.3@121.285,29.845 125.793,25.336 130.238,25.336 131.445,24.13 U53.2@131.445,12.56 131.445,9.447 130.818,8.82 130.818,6.358 130.429,5.969 126.323,5.969 P4.9@122.764,2.41
LMP_SIMEN: R58.1 TP6.1 U13.15 | length 36.5
  Top Layer w0.254: U13.15@89.34,85.245 98.559,85.245 101.708,82.096 103.039,82.096 ; R58.1@110.335,80.645 104.49,80.645 103.039,82.096 ; v1(111.125,89.535) 108.677,87.087 108.03,87.087 103.039,82.096
  Bottom Layer w0.254: TP6.1@109.855,91.44 111.125,90.17 v1(111.125,89.535)